# Altium PCB MotherBoard.PcbDoc (part 3 of 10) (continued)
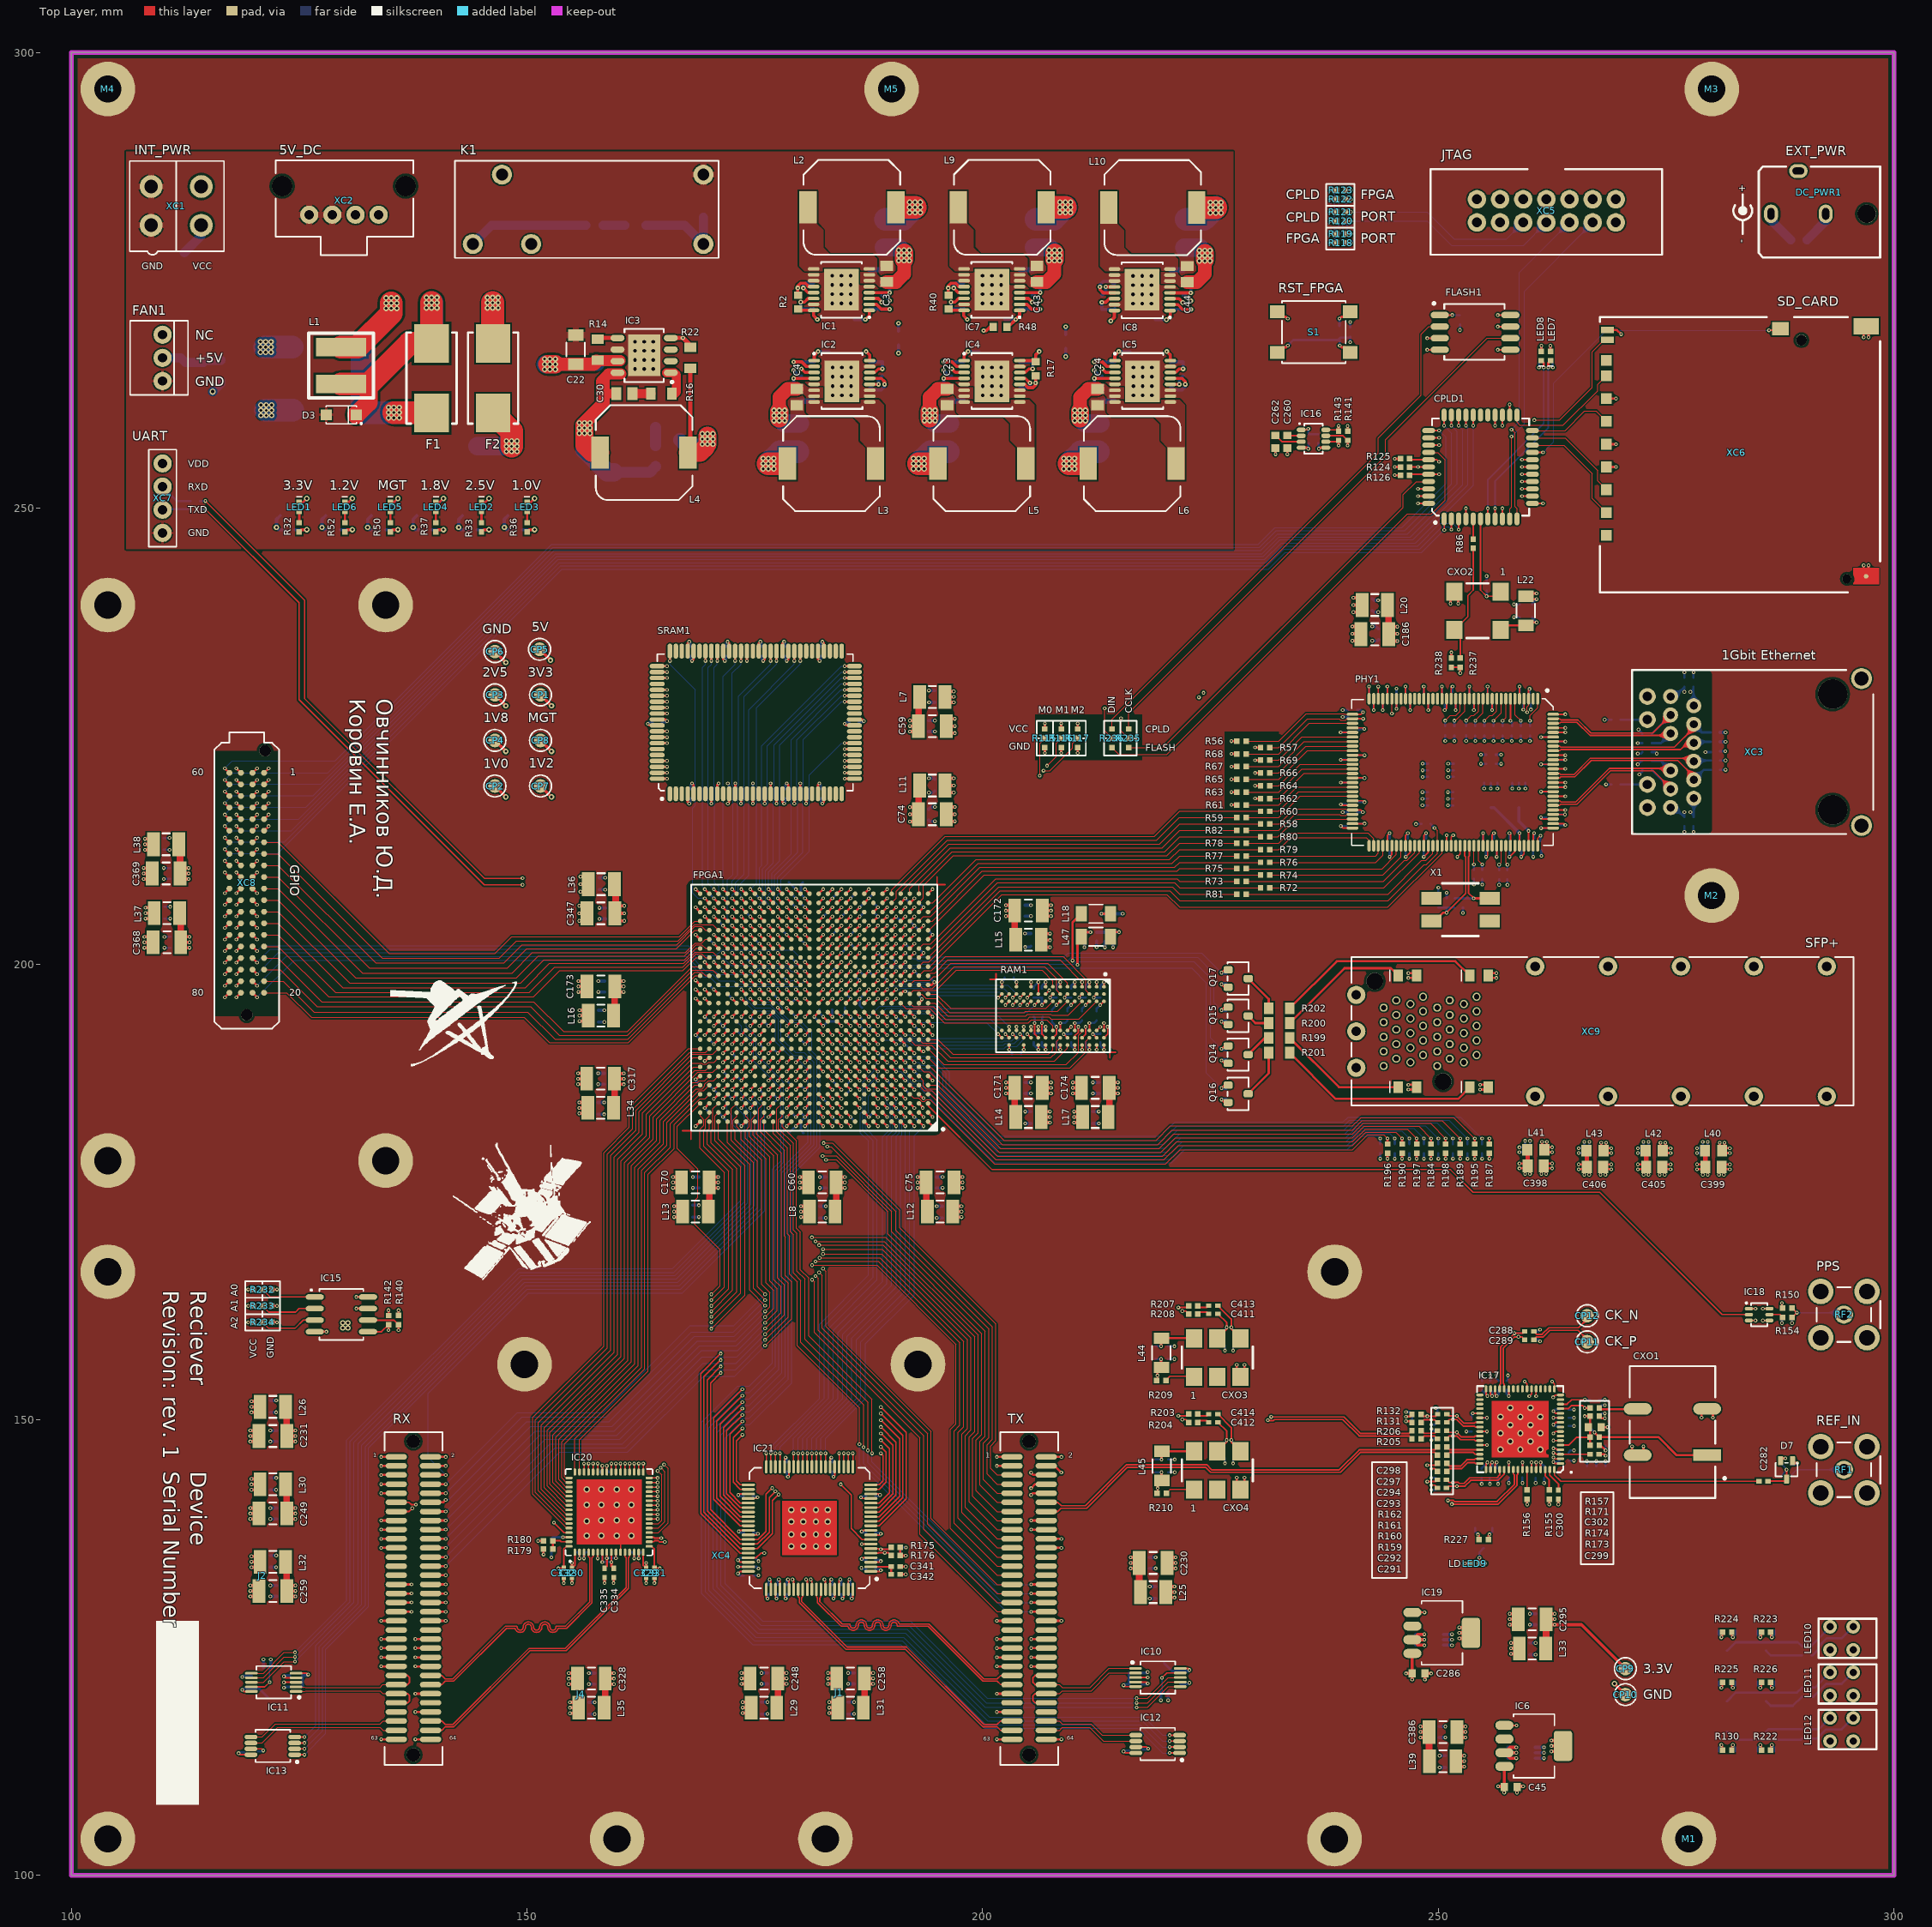
[diagram p0: Top Layer view]
## Nets (pads, with @x,y where several pads share a name; then routed paths per layer and width w, separated by ;. In a path a pad name is that pad's centre, name@x,y a point inside that pad or via, vN(x,y) a via of type N, cw(c..) or ccw(c..) an arc to the next point about the centre after c; other vN are vias at no path point) (continued)
  Bottom Layer w1: v5(115.5,262.8) 116.4,263.7 R6.2@116.4,263.95
  Bottom Layer w2: D6.1@144.551,256.8 v2@148.55,256.8 ; v2@177.675,259.875 v2@177.675,260.625 ; v2@177.675,259.9 178.275,259.3 C7.1@179.925,259.3 ; C6.1@189.123,278.614 190.773,278.614 v2@191.373,278.014 ; v2@191.373,277.289 v2@191.373,278.039 ; v2@194.175,259.875 v2@194.175,260.625 ; v2@194.175,259.9 194.775,259.3 C26.1@196.425,259.3 ; C50.1@205.623,278.614 207.273,278.614 v2@207.873,278.014 ; v2@207.873,277.289 v2@207.873,278.039 ; v2@210.675,259.875 v2@210.675,260.625 ; v2@210.675,259.9 211.275,259.3 C27.1@212.925,259.3 ; C51.1@222.123,278.589 223.773,278.589 v2@224.373,277.989 ; v2@224.373,277.264 v2@224.373,278.014
  other v2: 147.725,256.225 148.3,256.225 148.9,256.225 147.725,256.8 148.9,256.8 147.725,257.375 148.3,257.375 148.9,257.375 177.1,259.6 177.675,259.6 178.275,259.6 193.6,259.6 194.175,259.6 194.775,259.6 210.1,259.6 210.675,259.6 211.275,259.6 177.1,260.175 177.675,260.175 178.275,260.175 193.6,260.175 194.175,260.175 194.775,260.175 210.1,260.175 210.675,260.175 211.275,260.175 177.1,260.75 177.675,260.75 178.275,260.75 193.6,260.75 194.175,260.75 194.775,260.75 210.1,260.75 210.675,260.75 211.275,260.75 223.773,277.139 224.373,277.139 224.948,277.139 190.773,277.164 191.373,277.164 191.948,277.164 207.273,277.164 207.873,277.164 208.448,277.164 223.773,277.714 224.373,277.714 224.948,277.714 190.773,277.739 191.373,277.739 191.948,277.739 207.273,277.739 207.873,277.739 208.448,277.739 223.773,278.289 224.373,278.289 224.948,278.289 190.773,278.314 191.373,278.314 191.948,278.314 207.273,278.314 207.873,278.314 208.448,278.314
5V_EXT: D4.2 K1.3 XC2.1 XC2.2 | length 27.1
  Power w3: XC2.2@131.5,282.2 XC2.1@133.71,282.2 136.92,278.99 K1.3@144.05,278.99
  Bottom Layer w1: K1.3@144.05,278.99 146.099,281.039 D4.2@156.46,281.039
5V_GPIO: C364.1 C366.1 C368.1 L37.1 XC8.56 XC8.57 XC8.58 XC8.59 XC8.60 | length 11
  Top Layer w0.25: v1(118.105,196.335) XC8.60@118.605,196.835 ; v1(118.105,197.605) XC8.59@118.605,198.105 ; v1(118.105,198.875) XC8.58@118.605,199.375 ; v1(118.105,200.145) XC8.57@118.605,200.645 ; v1(118.105,201.415) XC8.56@118.605,201.915
  Top Layer w0.35: C368.1@112,201.775 v1(112.95,201.775) ; C368.1@112,202.375 v1(112.95,202.375) ; C368.1@112,202.975 v1(112.95,202.975)
  Top Layer w0.72: L37.1@111.872,205.575 112,205.448 C368.1@112,202.375
  Bottom Layer w0.25: C364.1@112.276,201.775 v1(112.95,201.775) ; C366.1@112.276,202.975 v1(112.95,202.975)
5V_RX: C227.1 C229.1 C231.1 L26.1 XC4.67 XC4.69 | length 10.8
  Top Layer w0.25: v1(133.982,143.929) XC4.69@135.648,143.929 ; v1(133.982,144.919) XC4.67@135.648,144.919
  Top Layer w0.35: C231.1@123.624,147.6 v1(124.574,147.6) ; C231.1@123.624,148.2 v1(124.574,148.2) ; C231.1@123.624,148.8 v1(124.574,148.8)
  Top Layer w0.72: L26.1@123.497,151.4 123.624,151.273 C231.1@123.624,148.2
  Bottom Layer w0.35: C229.1@123.9,147.6 v1(124.574,147.6) ; C227.1@123.9,148.8 v1(124.574,148.8)
5V_TX: C226.1 C228.1 C230.1 L25.2 XC4.4 XC4.6 | length 11.2
  Top Layer w0.25: v1(205.3,144.175) 205.546,143.929 XC4.6@206.972,143.929 ; XC4.4@206.972,144.919 207.906,144.919 v1(208.625,144.2)
  Top Layer w0.35: v1(216.226,133.675) C230.1@217.176,133.675 ; v1(216.226,134.275) C230.1@217.176,134.275 ; v1(216.226,134.875) C230.1@217.176,134.875
  Top Layer w0.72: C230.1@217.176,134.275 217.176,131.202 L25.2@217.303,131.075
  Bottom Layer w0.35: v1(216.226,133.675) C226.1@216.9,133.675 ; v1(216.226,134.875) C228.1@216.9,134.875
_100_MHZ: IC17.13 R157.1 R158.1 | length 4.1
  Top Layer w0.18: IC17.13@263.4,151.2 264.25,151.2 264.6,151.55 265.792,151.55 v1(266.067,151.275)
  Top Layer w0.25: v1(266.067,151.275) R157.1@266.642,151.275
  Bottom Layer w0.25: v1(266.067,151.275) R158.1@266.642,151.275
_CP: C302.2 IC17.5 R171.2 R172.1 R173.1 R174.2 | length 8.1
  Top Layer w0.18: IC17.5@263.4,147.2 264.3,147.2 265.175,148.075 R174.2@266.642,148.075 ; R173.1@266.617,147.2 R173.1@266.642,147.175
  Top Layer w0.25: v1(266.067,150.375) R171.2@266.642,150.375 ; R173.1@266.642,147.175 R174.2@266.642,148.075 266.642,148.983 C302.2@266.45,149.175 266.642,149.367 R171.2@266.642,150.375
  Bottom Layer w0.25: v1(266.067,150.375) R172.1@266.642,150.375
_DLD: FPGA1.U7 Q13.1 R227.2 | length 179.2
  Top Layer w0.18: v1(254.342,137.39) 254.467,137.265 R227.2@254.467,136.831
  Top Layer w0.25: FPGA1.U7@188,198.7 v1(188.5,199.2)
  Signal Layer 2 w0.1: v1(188.5,199.2) 188.85,199.55 224.15,199.55 224.425,199.825 232.453,199.825 234.328,201.7 269.25,201.7 278.7,192.25 278.7,184.425 276.65,182.375 276.65,160.525 281.275,155.9 281.275,142.975 275.025,136.725 255.007,136.725 v1(254.342,137.39)
  Bottom Layer w0.18: Q13.1@254.025,137.707 v1(254.342,137.39)
  Bottom Layer w0.25: Q13.1@254.025,137.707 Q13.1@254.025,138.1 Q13.1@254.025,138.12
_OUTA_RX: IC11.1 XC4.117 XC4.119 | length 14.8
  Top Layer w0.1: IC11.1@124.65,120.175 125.6,120.175 125.675,120.25 133.85,120.25 134.174,119.926 XC4.117@135.648,119.926
  Top Layer w0.18: XC4.119@135.648,118.91 136.866,118.91 137.1,119.143 137.1,119.693 136.868,119.926 XC4.117@135.648,119.926
_OUTA_TX: IC10.1 XC4.50 XC4.52 | length 14.5
  Top Layer w0.1: XC4.52@206.972,120.942 208.416,120.942 208.745,120.613 211.763,120.613 213.85,122.7 IC10.1@216.775,122.7
  Top Layer w0.18: XC4.52@206.972,120.916 205.754,120.916 205.52,121.15 205.52,121.7 205.752,121.932 XC4.50@206.972,121.932
_OUTB_RX: IC11.2 XC4.113 XC4.115 | length 14.8
  Top Layer w0.1: IC11.2@124.65,120.675 125.6,120.675 125.675,120.6 133.85,120.6 134.166,120.916 XC4.115@135.648,120.916
  Top Layer w0.18: XC4.115@135.648,120.916 136.866,120.916 137.1,121.15 137.1,121.7 136.868,121.932 XC4.113@135.648,121.932
_OUTB_TX: IC10.2 XC4.54 XC4.56 | length 14.4
  Top Layer w0.1: XC4.54@206.972,119.926 208.433,119.926 208.745,120.238 211.913,120.238 213.875,122.2 IC10.2@216.775,122.2
  Top Layer w0.18: XC4.56@206.972,118.91 205.754,118.91 205.52,119.143 205.52,119.693 205.752,119.926 XC4.54@206.972,119.926
_REF_IN: C282.1 IC17.64 | length 23.3
  Top Layer w0.15: IC17.64@262.725,144.525 262.725,143.95 263.45,143.225 285.15,143.225 C282.1@285.175,143.25
_VCTRL: C304.2 CXO1.1 R174.1 | length 14.3
  Top Layer w0.25: v1(267.15,148.601) 267.15,148.583 R174.1@267.658,148.075 274.175,148.075 276.15,146.1 CXO1.1@279.5,146.1
  Bottom Layer w0.25: C304.2@266.45,149.175 266.576,149.175 v1(267.15,148.601)
_VIN0_RX: IC13.6 XC4.125 | length 16.8
  Top Layer w0.1: IC13.6@119.7,114.525 120.95,114.525 122.65,116.225 133.875,116.225 134.187,115.913 XC4.125@135.648,115.913
_VIN0_TX: IC12.6 XC4.62 | length 10.6
  Top Layer w0.1: XC4.62@206.972,115.913 208.433,115.913 208.745,116.225 211.75,116.225 213.25,114.725 IC12.6@216.8,114.725
_VIN1_RX: IC13.5 XC4.123 | length 16.7
  Top Layer w0.1: IC13.5@119.7,115.175 120.95,115.175 122.375,116.6 133.875,116.6 134.204,116.929 XC4.123@135.648,116.929
_VIN1_TX: IC12.5 XC4.60 | length 10.5
  Top Layer w0.1: XC4.60@206.972,116.929 208.416,116.929 208.745,116.6 211.9,116.6 213.125,115.375 IC12.5@216.8,115.375
A0: IC15.1 R232.2 | length 6.1
  Top Layer w0.15: R232.2@120.975,164.275 121.795,163.455 IC15.1@126.704,163.455
A1: IC15.2 R233.2 | length 6.2
  Top Layer w0.15: R233.2@120.975,162.475 121.65,161.8 124.6,161.8 124.985,162.185 IC15.2@126.704,162.185
A2: IC15.3 R234.2 | length 6.3
  Top Layer w0.15: R234.2@120.975,160.675 121.6,160.05 124.575,160.05 125.44,160.915 IC15.3@126.704,160.915
ACT_LED: PHY1.7 R107.1 R108.2 | length 14.6
  Top Layer w0.18: v1(257.9,226.675) PHY1.7@257.9,229.1
  Signal Layer 2 w0.25: v1(257.9,226.675) 258.325,226.25 262.275,226.25 262.625,226.6 268.05,226.6 v1(268.25,226.8)
  Bottom Layer w0.25: v1(257.9,226.675) 258.075,226.5 R108.2@258.075,226.083 ; v1(268.25,226.8) R107.1@268.992,226.8
ADC_00_A: FPGA1.H23 IC20.43 | length 52.3
  Top Layer w0.13: IC20.43@157.75,144.25 v1(157.75,145.175)
  Top Layer w0.25: v1(171.5,189.2) FPGA1.H23@172,189.7
  Signal Layer 1 w0.1: v1(157.75,145.175) 157.75,149.8 159.875,151.925 159.875,179.241 169.619,188.985 171.285,188.985 v1(171.5,189.2)
ADC_00_B: FPGA1.L19 IC20.23 | length 62.8
  Top Layer w0.13: IC20.23@163.4,139.1 v1(164.325,139.1)
  Top Layer w0.25: v1(175.5,192.2) FPGA1.L19@176,192.7
  Signal Layer 1 w0.1: v1(164.325,139.1) 169.65,144.425 169.65,167.725 173.925,172 173.925,175.675 179.125,180.875 179.125,189.353 176.815,191.662 176.037,191.662 v1(175.5,192.2)
ADC_01_A: FPGA1.J23 IC20.44 | length 53.5
  Top Layer w0.13: IC20.44@157.25,144.25 v1(157.25,145.175)
  Top Layer w0.25: v1(171.5,190.2) FPGA1.J23@172,190.7
  Signal Layer 1 w0.1: v1(157.25,145.175) 157.25,149.875 159.475,152.1 159.475,179.82 169.855,190.2 v1(171.5,190.2)
ADC_01_B: FPGA1.K18 IC20.24 | length 60.5
  Top Layer w0.13: IC20.24@163.4,139.6 v1(164.325,139.6)
  Top Layer w0.25: v1(176.5,191.2) FPGA1.K18@177,191.7
  Signal Layer 1 w0.1: v1(164.325,139.6) 169.175,144.45 169.175,168 173.3,172.125 173.3,175.875 178.85,181.425 178.85,189.345 177.645,190.55 177.15,190.55 v1(176.5,191.2)
ADC_02_A: FPGA1.K22 IC20.45 | length 55.8
  Top Layer w0.13: IC20.45@156.75,144.25 v1(156.75,145.175)
  Top Layer w0.25: v1(172.5,191.2) FPGA1.K22@173,191.7
  Signal Layer 1 w0.1: v1(156.75,145.175) 156.75,149.975 159.075,152.3 159.075,180.5 169.15,190.575 171.875,190.575 v1(172.5,191.2)
ADC_02_B: FPGA1.J18 IC20.25 | length 58.4
  Top Layer w0.13: IC20.25@163.4,140.1 v1(164.325,140.1)
  Top Layer w0.25: v1(176.5,190.2) FPGA1.J18@177,190.7
  Signal Layer 1 w0.1: v1(164.325,140.1) 168.675,144.45 168.675,168.25 172.65,172.225 172.65,176.1 178.15,181.6 178.15,189.045 176.995,190.2 v1(176.5,190.2)
ADC_03_A: FPGA1.K23 IC20.46 | length 55.6
  Top Layer w0.13: IC20.46@156.25,144.25 v1(156.25,145.175)
  Top Layer w0.25: v1(171.5,191.2) FPGA1.K23@172,191.7
  Signal Layer 1 w0.1: v1(156.25,145.175) 156.25,150.05 158.675,152.475 158.675,181.1 168.4,190.825 171.125,190.825 v1(171.5,191.2)
ADC_03_B: FPGA1.J19 IC20.26 | length 58.1
  Top Layer w0.13: IC20.26@163.4,140.6 v1(164.325,140.6)
  Top Layer w0.25: v1(175.5,190.2) FPGA1.J19@176,190.7
  Signal Layer 1 w0.1: v1(164.325,140.6) 168.175,144.45 168.175,168.5 172.05,172.375 172.05,176.375 177.85,182.175 177.85,188.35 176.5,189.7 176,189.7 v1(175.5,190.2)
ADC_04_A: FPGA1.D25 IC20.47 | length 47.7
  Top Layer w0.1: IC20.47@155.75,144.25 155.75,147.8 163.3,155.35 163.3,176.9 166.125,179.725 166.125,182.391 168.959,185.225 169.525,185.225 FPGA1.D25@170,185.7
ADC_04_B: FPGA1.H18 IC20.27 | length 55.3
  Top Layer w0.13: IC20.27@163.4,141.1 v1(164.325,141.1)
  Top Layer w0.25: v1(176.5,189.2) FPGA1.H18@177,189.7
  Signal Layer 1 w0.1: v1(164.325,141.1) 167.7,144.475 167.7,168.725 171.475,172.5 171.475,176.7 177.15,182.375 177.15,188.55 v1(176.5,189.2)
ADC_05_A: FPGA1.D26 IC20.48 | length 47.2
  Top Layer w0.1: IC20.48@155.25,144.25 155.25,147.875 162.925,155.55 162.925,177.1 165.725,179.9 165.725,182.475 168.95,185.7 FPGA1.D26@169,185.7
ADC_05_B: FPGA1.K20 IC20.28 | length 57.4
  Top Layer w0.13: IC20.28@163.4,141.6 v1(164.325,141.6)
  Top Layer w0.25: v1(174.5,191.2) FPGA1.K20@175,191.7
  Signal Layer 1 w0.1: v1(164.325,141.6) 167.25,144.525 167.25,168.975 170.375,172.1 170.375,176.575 176.85,183.05 176.85,188.345 175.05,190.145 175.05,190.65 v1(174.5,191.2)
ADC_06_A: FPGA1.E25 IC20.49 | length 50.4
  Top Layer w0.1: IC20.49@154.6,143.6 154.3,143.6 154.125,143.775 154.125,147.325 162.55,155.75 162.55,177.325 165.35,180.125 165.35,182.616 168.834,186.1 169.4,186.1 FPGA1.E25@170,186.7
ADC_06_B: FPGA1.H19 IC20.29 | length 53.9
  Top Layer w0.13: IC20.29@163.4,142.1 v1(164.325,142.1)
  Top Layer w0.25: v1(175.5,189.2) FPGA1.H19@176,189.7
  Signal Layer 1 w0.1: v1(164.325,142.1) 166.775,144.55 166.775,169.55 169.8,172.575 169.8,176.85 176.15,183.2 176.15,188.55 v1(175.5,189.2)
ADC_07_A: FPGA1.F24 IC20.50 | length 53
  Top Layer w0.1: IC20.50@154.6,143.1 154.3,143.1 153.805,143.595 153.805,147.58 162.175,155.95 162.175,177.5 164.95,180.275 164.95,182.7 168.55,186.3 169.2,186.3 169.5,186.6 169.5,186.8 169.9,187.2 170.5,187.2 FPGA1.F24@171,187.7
ADC_07_B: FPGA1.J20 IC20.30 | length 54.6
  Top Layer w0.13: IC20.30@163.4,142.6 v1(164.325,142.6)
  Top Layer w0.25: v1(174.5,190.2) FPGA1.J20@175,190.7
  Signal Layer 1 w0.1: v1(164.325,142.6) 166.325,144.6 166.325,170.275 169.2,173.15 169.2,177.25 175.85,183.9 175.85,188.345 174.5,189.695 v1(174.5,190.2)
ADC_08_A: FPGA1.E26 IC20.51 | length 51.5
  Top Layer w0.1: IC20.51@154.6,142.6 154.3,142.6 153.484,143.425 153.484,147.834 161.8,156.15 161.8,177.675 164.575,180.45 164.575,182.85 168.425,186.7 FPGA1.E26@169,186.7
ADC_08_B: FPGA1.K21 IC20.31 | length 54.9
  Top Layer w0.13: IC20.31@163.4,143.1 v1(164.325,143.1)
  Top Layer w0.25: v1(173.5,191.2) FPGA1.K21@174,191.7
  Signal Layer 1 w0.1: v1(164.325,143.1) 165.9,144.675 165.9,171.075 168.625,173.8 168.625,177.825 175.15,184.35 175.15,188.045 173.975,189.22 173.975,190.725 v1(173.5,191.2)
ADC_09_A: FPGA1.F25 IC20.52 | length 54
  Top Layer w0.1: IC20.52@154.6,142.1 154.3,142.1 153.164,143.25 153.164,148.089 161.425,156.35 161.425,177.85 164.2,180.625 164.2,183 168.175,186.975 168.675,186.975 168.9,187.2 169.5,187.2 FPGA1.F25@170,187.7
ADC_09_B: FPGA1.G20 IC20.32 | length 50.7
  Top Layer w0.13: IC20.32@163.4,143.6 v1(164.325,143.6)
  Top Layer w0.25: v1(174.5,188.2) FPGA1.G20@175,188.7
  Signal Layer 1 w0.1: v1(164.325,143.6) 165.475,144.75 165.475,173.475 167.675,175.675 167.675,177.88 174.84,185.045 174.85,185.045 174.85,187.85 v1(174.5,188.2)
ADC_10_A: FPGA1.G24 IC20.53 | length 56.5
  Top Layer w0.1: IC20.53@154.6,141.6 154.3,141.6 152.843,143.075 152.843,148.318 161.05,156.525 161.05,178.025 163.825,180.8 163.825,183.175 168.75,188.1 170.4,188.1 FPGA1.G24@171,188.7
ADC_10_B: FPGA1.H21 IC20.33 | length 50.6
  Top Layer w0.13: IC20.33@162.75,144.25 v1(162.75,145.175)
  Top Layer w0.25: v1(173.5,189.2) FPGA1.H21@174,189.7
  Signal Layer 1 w0.1: v1(162.75,145.175) 162.75,149.2 165.05,151.5 165.05,173.725 167.1,175.775 167.1,178.305 174.15,185.355 174.15,188.55 v1(173.5,189.2)
ADC_11_A: FPGA1.G25 IC20.54 | length 56.6
  Top Layer w0.1: IC20.54@154.6,141.1 154.3,141.1 152.523,142.9 152.523,148.598 160.675,156.75 160.675,178.175 163.45,180.95 163.45,183.325 168.425,188.3 169.6,188.3 FPGA1.G25@170,188.7
ADC_11_B: FPGA1.G21 IC20.34 | length 49.6
  Top Layer w0.13: IC20.34@162.25,144.25 v1(162.25,145.175)
  Top Layer w0.25: v1(173.5,188.2) FPGA1.G21@174,188.7
  Signal Layer 1 w0.1: v1(162.25,145.175) 162.25,149.275 164.65,151.675 164.65,176.845 173.85,186.045 173.85,187.85 v1(173.5,188.2)
ADC_12_A: FPGA1.G26 IC20.55 | length 56.7
  Top Layer w0.1: IC20.55@154.6,140.6 154.3,140.6 152.202,142.698 152.202,148.852 160.3,156.95 160.3,178.375 163.075,181.15 163.075,183.5 168.275,188.7 FPGA1.G26@169,188.7
ADC_12_B: FPGA1.J21 IC20.35 | length 51.5
  Top Layer w0.13: IC20.35@161.75,144.25 v1(161.75,145.175)
  Top Layer w0.25: v1(173.5,190.2) FPGA1.J21@174,190.7
  Signal Layer 1 w0.1: v1(161.75,145.175) 161.75,149.375 164.2,151.825 164.2,177.4 173.15,186.35 173.15,189.85 v1(173.5,190.2)
ADC_13_A: FPGA1.H24 IC20.56 | length 60.2
  Top Layer w0.1: IC20.56@154.6,140.1 154.3,140.1 151.882,142.518 151.882,149.132 159.925,157.175 159.925,178.575 162.675,181.325 162.675,183.65 168.125,189.1 169.175,189.1 169.275,189 169.7,189 169.925,189.225 170.525,189.225 FPGA1.H24@171,189.7
ADC_13_B: FPGA1.H22 IC20.36 | length 50.6
  Top Layer w0.13: IC20.36@161.25,144.25 v1(161.25,145.175)
  Top Layer w0.25: v1(172.5,189.2) FPGA1.H22@173,189.7
  Signal Layer 1 w0.1: v1(161.25,145.175) 161.25,149.475 163.8,152.025 163.8,178 172.85,187.05 172.85,188.85 v1(172.5,189.2)
ADC_14_A: FPGA1.H26 IC20.57 | length 59.2
  Top Layer w0.1: IC20.57@154.6,139.6 154.3,139.6 151.561,142.339 151.561,149.411 159.55,157.4 159.55,178.8 162.3,181.55 162.3,183.775 168.225,189.7 FPGA1.H26@169,189.7
ADC_14_B: FPGA1.E23 IC20.37 | length 47.4
  Top Layer w0.13: IC20.37@160.75,144.25 v1(160.75,145.175)
  Top Layer w0.25: v1(171.5,186.2) FPGA1.E23@172,186.7
  Signal Layer 1 w0.1: v1(160.75,145.175) 160.75,149.575 163.4,152.225 163.4,178.605 170.995,186.2 v1(171.5,186.2)
ADC_15_A: FPGA1.J24 IC20.58 | length 62.7
  Top Layer w0.1: IC20.58@154.6,139.1 154.325,139.1 151.241,142.184 151.241,149.691 159.175,157.625 159.175,178.975 161.95,181.75 161.95,183.95 168.1,190.1 170.4,190.1 FPGA1.J24@171,190.7
ADC_15_B: FPGA1.F23 IC20.38 | length 48.6
  Top Layer w0.13: IC20.38@160.25,144.25 v1(160.25,145.175)
  Top Layer w0.25: v1(171.5,187.2) FPGA1.F23@172,187.7
  Signal Layer 1 w0.1: v1(160.25,145.175) 160.25,149.625 163,152.375 163,179.2 171,187.2 v1(171.5,187.2)
ADC_CLK_OUT_N: FPGA1.F22 IC20.39 | length 57.3
  Top Layer w0.13: IC20.39@159.75,144.25 v1(159.75,145.175)
  Top Layer w0.25: v1(172.5,187.2) FPGA1.F22@173,187.7
  Signal Layer 1 w0.1: v1(159.75,145.175) 159.625,145.3 159.625,150.1 161.55,152.025 161.55,154.275 ccw(c161.425,154.275) 161.425,154.4 cw(c161.425,154.725) 161.425,155.05 ccw(c161.425,155.625) 162,155.625 ccw(c161.425,155.625) 161.425,156.2 cw(c161.425,156.525) 161.425,156.85 ccw(c161.425,157.425) 162,157.425 ccw(c161.425,157.425) 161.425,158 cw(c161.425,158.325) 161.425,158.65 ccw(c161.425,159.225) 162,159.225 ccw(c161.425,159.225) 161.425,159.8 cw(c161.425,160.125) 161.425,160.45 ccw(c161.425,161.025) 162,161.025 ccw(c161.425,161.025) 161.425,161.6 cw(c161.425,161.925) 161.425,162.25 ccw(c161.425,162.825) 162,162.825 ccw(c161.425,162.825) 161.425,163.4 cw(c161.425,163.725) 161.425,164.05 ccw(c161.425,164.625) 162,164.625 ccw(c161.425,164.625) 161.55,165.186 161.55,179.375 169.75,187.575 172.125,187.575 v1(172.5,187.2)
ADC_CLK_OUT_P: FPGA1.G22 IC20.40 | length 57.7
  Top Layer w0.13: IC20.40@159.25,144.25 v1(159.25,145.175)
  Top Layer w0.25: v1(172.5,188.2) FPGA1.G22@173,188.7
  Signal Layer 1 w0.1: v1(159.25,145.175) 159.375,145.3 159.375,150.204 161.3,152.129 161.3,154.164 cw(c161.425,154.725) 161.425,155.3 ccw(c161.425,155.625) 161.75,155.625 ccw(c161.425,155.625) 161.425,155.95 cw(c161.425,156.525) 161.425,157.1 ccw(c161.425,157.425) 161.75,157.425 ccw(c161.425,157.425) 161.425,157.75 cw(c161.425,158.325) 161.425,158.9 ccw(c161.425,159.225) 161.75,159.225 ccw(c161.425,159.225) 161.425,159.55 cw(c161.425,160.125) 161.425,160.7 ccw(c161.425,161.025) 161.75,161.025 ccw(c161.425,161.025) 161.425,161.35 cw(c161.425,161.925) 161.425,162.5 ccw(c161.425,162.825) 161.75,162.825 ccw(c161.425,162.825) 161.425,163.15 cw(c161.425,163.725) 161.425,164.3 ccw(c161.425,164.625) 161.75,164.625 ccw(c161.425,164.625) 161.425,164.95 cw(c161.425,165.075) 161.3,165.075 161.3,179.479 169.646,187.825 172.125,187.825 v1(172.5,188.2)
ADC_OVF_A: FPGA1.J26 IC20.60 | length 62.8
  Top Layer w0.1: IC20.60@154.6,138.1 154.325,138.1 150.6,141.825 150.6,150.225 158.425,158.05 158.425,179.275 161.225,182.075 161.225,184.225 167.7,190.7 FPGA1.J26@169,190.7
ADC_OVF_B: FPGA1.J25 IC20.59 | length 62.7
  Top Layer w0.1: IC20.59@154.6,138.6 154.325,138.6 150.92,142.005 150.92,149.97 158.8,157.85 158.8,179.125 161.575,181.9 161.575,184.05 167.825,190.3 169.6,190.3 FPGA1.J25@170,190.7
AGND_ADC: C320.2 C325.2 C328.2 C329.1 C330.1 C331.1 C332.1 C334.1 C335.2 C337.2 C338.1 C339.1 IC20.3 IC20.6 IC20.14 J4.2 R180.2 | length 15.7
  Top Layer w0.18: v1(156.25,134.775) IC20.3@156.25,135.45 ; v1(157.75,134.775) IC20.6@157.75,135.45 ; v1(161.75,134.775) IC20.14@161.75,135.45
  Top Layer w0.25: v1(151.209,136.7) R180.2@151.809,136.7 ; v1(154.025,132.075) C332.1@154.025,132.675 ; v1(154.925,132.075) C330.1@154.925,132.675 ; v1(158.5,132.075) C335.2@158.5,132.675 ; v1(159.5,132.075) C334.1@159.5,132.675 ; v1(163.075,132.075) C329.1@163.075,132.675 ; v1(163.975,132.075) C331.1@163.975,132.675
  Top Layer w0.35: v1(154.578,120.984) C328.2@155.528,120.984 ; v1(154.578,121.584) C328.2@155.528,121.584 ; v1(154.578,122.184) C328.2@155.528,122.184
  Ground w1: J4.2@155.9,120.5 155.9,123.525
  Bottom Layer w0.25: v1(152.675,134.875) C338.1@152.675,135.55 ; v1(156.25,134.775) 156.25,135.2 C337.2@156.5,135.45 ; C339.1@161.5,135.45 161.75,135.2 v1(161.75,134.775)
  Bottom Layer w0.35: v1(156.778,120.984) C325.2@157.452,120.984 ; v1(156.778,122.184) C320.2@157.452,122.184
AGND_RX: C233.2 C235.1 C237.2 C239.2 C255.2 C257.2 C259.2 IC11.3 IC11.4 IC13.7 J2.2 XC4.105 XC4.106 XC4.111 XC4.112 XC4.118 XC4.122 XC4.127 XC4.128 | length 27.8
  Top Layer w0.18: IC13.7@119.7,113.875 120.875,113.875 v1(121.05,113.7) ; v1(123.325,121.175) IC11.3@124.65,121.175 ; v1(123.325,121.825) 123.475,121.675 IC11.4@124.65,121.675
  Top Layer w0.25: v1(133.982,114.922) XC4.127@135.648,114.922 ; v1(133.982,122.923) XC4.111@135.648,122.923 ; v1(133.982,125.92) XC4.105@135.648,125.92 ; v1(137.741,114.922) XC4.128@139.408,114.922 ; v1(137.741,117.919) XC4.122@139.408,117.919 ; v1(137.741,119.926) XC4.118@139.408,119.926 ; v1(137.741,122.923) XC4.112@139.408,122.923 ; v1(137.741,125.92) XC4.106@139.408,125.92
  Top Layer w0.35: v1(119.626,130.6) C259.2@120.576,130.6 ; v1(119.626,131.2) C259.2@120.576,131.2 ; v1(119.626,131.8) C259.2@120.576,131.8
  Ground w1: 120.925,129.25 J2.2@120.925,132.275
  Bottom Layer w0.25: C239.2@120.45,113.6 120.95,113.6 v1(121.05,113.7)
  Bottom Layer w0.3: v1(118.75,121.75) 118.875,121.875 C235.1@119.75,121.875 ; v1(123.325,120.575) 123.425,120.675 C237.2@123.975,120.675 ; v1(123.325,121.825) 123.425,121.925 C233.2@123.975,121.925
  Bottom Layer w0.35: v1(121.826,130.6) C257.2@122.5,130.6 ; v1(121.826,131.8) C255.2@122.5,131.8
AGND_TX: C232.2 C234.1 C236.2 C238.1 C254.2 C256.2 C258.2 C321.1 C322.1 C323.1 C324.1 C326.1 C327.1 C340.2 IC10.3 IC10.4 IC12.7 IC21.62 IC21.64 IC21.66 IC21.67 IC21.70 IC21.71 IC21.74 IC21.75 IC21.77 IC21.79 J1.2 R181.2 R182.2 XC4.41 XC4.42 XC4.47 XC4.48 XC4.53 XC4.57 XC4.63 XC4.64 | length 44.7
  Top Layer w0.18: v1(176.625,132.465) 176.75,132.34 IC21.62@176.75,131.415 ; v1(177.625,132.465) 177.75,132.34 IC21.64@177.75,131.415 ; v1(178.625,132.465) 178.75,132.34 IC21.66@178.75,131.415 ; v1(179.125,132.465) 179.25,132.34 IC21.67@179.25,131.415 ; v1(180.625,132.465) 180.75,132.34 IC21.70@180.75,131.415 ; v1(181.125,132.465) 181.25,132.34 IC21.71@181.25,131.415 ; v1(182.625,132.465) 182.75,132.34 IC21.74@182.75,131.415 ; IC21.75@183.25,131.415 183.25,132.34 v1(183.375,132.465) ; IC21.77@184.25,131.415 184.25,132.34 v1(184.375,132.465) ; IC21.79@185.25,131.415 185.25,132.34 v1(185.375,132.465) ; IC10.4@216.775,121.2 217.95,121.2 v1(218.1,121.05) ; IC10.3@216.775,121.7 v1(218.1,121.7) ; IC12.7@216.8,114.075 217.975,114.075 v1(218.15,113.9)
  Top Layer w0.25: v1(201.546,114.922) XC4.63@203.212,114.922 ; v1(201.546,117.919) XC4.57@203.212,117.919 ; v1(201.546,119.926) XC4.53@203.212,119.926 ; v1(201.546,122.923) XC4.47@203.212,122.923 ; v1(201.546,125.92) XC4.41@203.212,125.92 ; v1(205.305,122.923) XC4.48@206.972,122.923 ; v1(205.305,125.92) XC4.42@206.972,125.92 ; XC4.64@206.972,114.922 v1(208.638,114.922)
  Top Layer w0.35: v1(183.026,121) C258.2@183.976,121 ; v1(183.026,121.6) C258.2@183.976,121.6 ; v1(183.026,122.2) C258.2@183.976,122.2
  Ground w1: J1.2@184.2,120.675 184.2,123.7
  Bottom Layer w0.25: C340.2@174.791,134.8 175.075,134.8 v1(175.4,134.475) ; R182.2@174.799,132.9 v1(175.399,132.9) ; R181.2@174.799,133.85 175.2,133.85 v1(175.4,133.65) ; C326.1@176.5,131.875 176.5,132.34 v1(176.625,132.465) ; C323.1@177.5,131.875 177.5,132.34 v1(177.625,132.465) ; C321.1@178.5,131.875 178.5,132.34 v1(178.625,132.465) ; v1(183.375,132.465) 183.5,132.34 C327.1@183.5,131.875 ; v1(184.375,132.465) 184.5,132.34 C324.1@184.5,131.875 ; v1(185.375,132.465) 185.5,132.34 C322.1@185.5,131.875 ; C238.1@217.55,113.8 218.05,113.8 v1(218.15,113.9)
  Bottom Layer w0.3: C232.2@217.45,120.95 218,120.95 v1(218.1,121.05) ; C236.2@217.45,122.2 218,122.2 v1(218.1,122.3) ; C234.1@221.675,121 222.55,121 v1(222.675,121.125)
  Bottom Layer w0.35: v1(185.226,121) C254.2@185.9,121 ; v1(185.226,122.2) C256.2@185.9,122.2
AVDD_3V3: C283.1 C285.1 C296.1 IC19.3 L33.2 | length 11.4
  Top Layer w0.35: v1(248.451,125.25) 247.776,125.25 IC19.3@247.176,125.85 ; v1(248.451,125.85) IC19.3@247.176,125.85 ; v1(248.451,126.45) 247.776,126.45 IC19.3@247.176,125.85 ; v1(257.953,124.3) L33.2@258.903,124.3 ; v1(257.953,124.9) L33.2@258.903,124.9 ; v1(257.953,125.5) L33.2@258.903,125.5
  Bottom Layer w0.35: C296.1@247.501,125.25 v1(248.451,125.25) ; C296.1@247.501,125.85 v1(248.451,125.85) ; C296.1@247.501,126.45 v1(248.451,126.45) ; v1(257.953,124.3) C285.1@258.627,124.3 ; v1(257.953,125.5) C283.1@258.627,125.5
AVDD_ADC: C320.1 C325.1 C328.1 C329.2 C330.2 C331.2 C332.2 IC20.1 IC20.16 IC20.17 IC20.64 L35.2 R179.1 | length 19.9
  Top Layer w0.18: C332.2@154.025,133.675 154.025,135.8 154.325,136.1 IC20.64@154.6,136.1 ; C330.2@154.925,133.675 155.25,134 IC20.1@155.25,135.45 ; IC20.16@162.75,135.45 162.75,134 C329.2@163.075,133.675 ; IC20.17@163.4,136.1 163.675,136.1 163.975,135.8 C331.2@163.975,133.675
  Top Layer w0.25: v1(151.809,135.2) R179.1@151.809,135.8 ; v1(153.425,133.675) C332.2@154.025,133.675 ; C330.2@154.925,133.675 v1(154.925,134.275) ; C329.2@163.075,133.675 v1(163.075,134.275) ; C331.2@163.975,133.675 v1(164.575,133.675)
  Top Layer w0.35: C328.1@158.576,120.984 v1(159.526,120.984) ; C328.1@158.576,121.584 v1(159.526,121.584) ; C328.1@158.576,122.184 v1(159.526,122.184)
  Top Layer w0.72: L35.2@158.449,118.384 158.576,118.511 C328.1@158.576,121.584
  Bottom Layer w0.35: C325.1@158.852,120.984 v1(159.526,120.984) ; C320.1@158.852,122.184 v1(159.526,122.184)
AVDD_RX: C233.1 C237.1 C239.1 C255.1 C257.1 C259.1 IC11.5 IC11.9 IC13.8 L28.1 L32.2 XC4.107 XC4.108 XC4.109 XC4.110 | length 25.2
  Top Layer w0.15: IC11.9@119.75,120.675 121.225,120.675 v1(121.75,121.2)
  Top Layer w0.18: v1(118.35,113.4) 118.525,113.225 IC13.8@119.7,113.225 ; IC11.5@124.65,122.175 125.825,122.175 v1(125.975,122.025)
  Top Layer w0.25: v1(133.982,123.914) XC4.109@135.648,123.914 ; v1(133.982,124.93) XC4.107@135.648,124.93 ; v1(137.741,123.914) XC4.110@139.408,123.914 ; v1(137.741,124.93) XC4.108@139.408,124.93
  Top Layer w0.35: C259.1@123.624,130.6 v1(124.574,130.6) ; C259.1@123.624,131.2 v1(124.574,131.2) ; C259.1@123.624,131.8 v1(124.574,131.8)
  Top Layer w0.72: L32.2@123.497,134.4 123.624,134.273 C259.1@123.624,131.2
  Bottom Layer w0.15: L28.1@121.525,122.775 121.75,122.55 v1(121.75,121.2)
  Bottom Layer w0.25: v1(118.35,113.4) 118.45,113.5 C239.1@118.95,113.5
  Bottom Layer w0.3: L28.1@121.075,122.775 v1(121.075,123.675) ; L28.1@121.875,122.775 v1(121.875,123.675) ; C233.1@125.325,121.925 125.875,121.925 v1(125.975,122.025) ; C237.1@125.375,120.675 C233.1@125.375,121.925
  Bottom Layer w0.35: C257.1@123.9,130.6 v1(124.574,130.6) ; C255.1@123.9,131.8 v1(124.574,131.8)